# Altium PCB MB1297.PcbDoc (part 1 of 4) (continued)
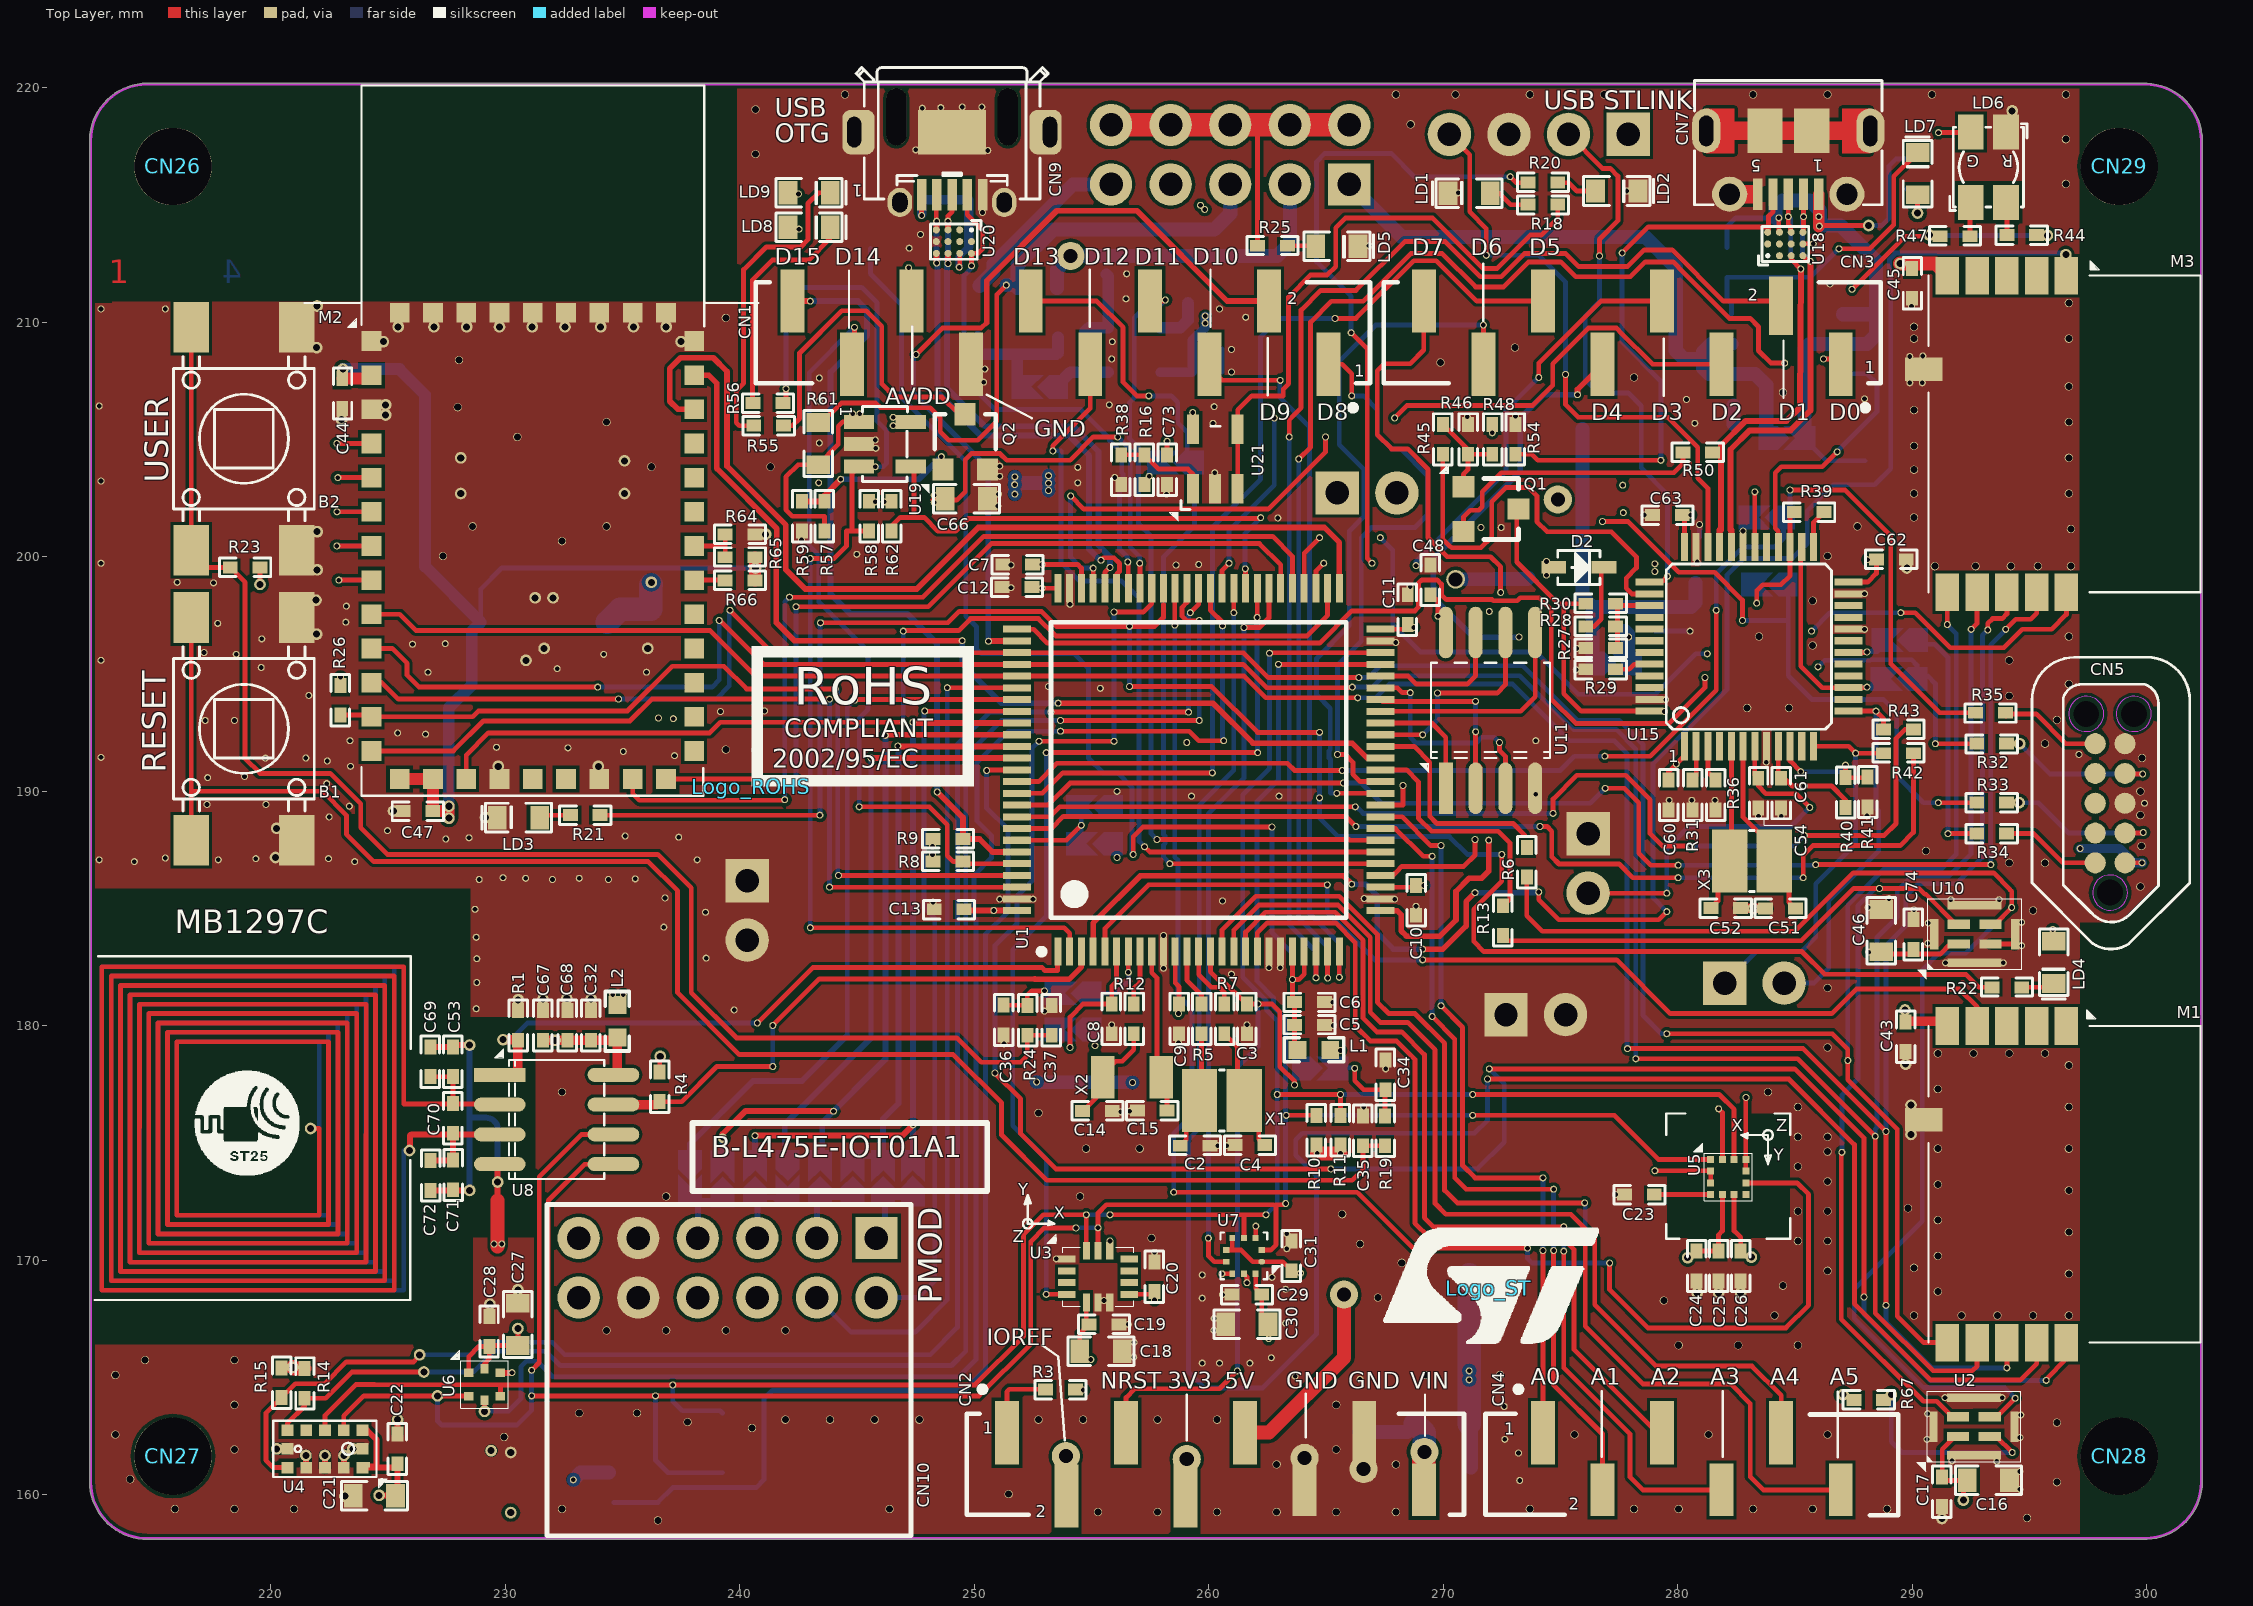
[diagram p0: Top Layer view]
## Design rules (kind name [scope] priority, off if disabled: settings)
AssemblyTestPointUsage [All] p1 off:
AssemblyTestpoint [All] p1 off: testpointundercomponent=TRUE minsize=1.016 maxsize=2.54 preferedsize=1.524 minholesize=0 maxholesize=1.016 preferedholesize=0.813 testpointgrid=0.025 usegrid=TRUE gridtolerance=0 allowsidetop=TRUE allowsidebottom=TRUE
Clearance Clearance_Poly [InPolygon] p1: gap=0.14
Clearance [All] p2: gap=0.102
ComponentClearance [All] p1 off: gap=0.254 collisioncheckmode=3 verticalgap=0.254 showdistances=FALSE
DiffPairsRouting [All] p1: maxlimit=0.508 minlimit=0.145 mostfreqgap=0.145 maxuncoupledlength=12.7
FabricationTestPointUsage [All] p1 off: valid=0 allowmultiple=FALSE
FabricationTestpoint [All] p1 off: side=3 testpointundercomponent=TRUE minsize=1.016 maxsize=2.54 preferedsize=1.524 minholesize=0 maxholesize=1.016 preferedholesize=0.813 testpointgrid=0.025 allowsidetop=TRUE allowsidebottom=TRUE usegrid=TRUE gridtolerance=0
FanoutControl Fanout_BGA [IsBGA] p1 off: bgadir=Out bgaviamode=Centered fanoutstyle=Auto fanoutdirection=Alternating viagrid=0.025 // Fanout_BGA (Default Rule)
FanoutControl Fanout_LCC [IsLCC] p2 off: bgadir=Out bgaviamode=Centered fanoutstyle=Auto fanoutdirection=Alternating viagrid=0.025 // Fanout_LCC (Default Rule)
FanoutControl Fanout_SOIC [IsSOIC] p3 off: bgadir=Out bgaviamode=Centered fanoutstyle=Auto fanoutdirection=Alternating viagrid=0.025 // Fanout_SOIC (Default Rule)
FanoutControl Fanout_Small [(CompPinCount < 5)] p4 off: bgadir=Out bgaviamode=Centered fanoutstyle=Auto fanoutdirection=OutThenIn viagrid=0.025 // Fanout_Small (Default Rule)
FanoutControl Fanout_Default [All] p5 off: bgadir=Out bgaviamode=Centered fanoutstyle=Auto fanoutdirection=Alternating viagrid=0.025 // Fanout_Default (Default Rule)
Height [All] p1 off: minheight=0 maxheight=25.4 prefheight=12.7
HoleSize [All] p1: absolutevalues=TRUE maxlimit=3.3 minlimit=0.2 maxpercent=80.000 minpercent=20.000
HoleToHoleClearance [All] p1 off: gap=0.254 allowstackedmicrovias=TRUE
LayerPairs [All] p1 off: enforce=TRUE
MinimumSolderMaskSliver [All] p1 off: minsoldermaskwidth=0.254
NetAntennae [All] p1 off: netantennaetolerance=0
PasteMaskExpansion [All] p1 off: expansion=0
PolygonConnect [All] p1: connectstyle=Direct reliefconductorwidth=0.254 reliefentries=4 polygonreliefangle="90 Angle" airgapwidth=0.254
RoutingCorners [All] p1 off: cornerstyle=45-Degree minsetback=2.54 maxsetback=2.54
RoutingLayers [All] p1 off: top layer_v5=TRUE mid layer 1_v5=TRUE mid layer 2_v5=TRUE bottom layer_v5=TRUE
RoutingPriority [All] p1 off: routingpriority=0
RoutingTopology [All] p1 off: topology=Shortest
RoutingVias [All] p1: holewidth=0.2 width=0.3 viastyle="Through Hole" minholewidth=0.2 minwidth=0.4 maxholewidth=3.3 maxwidth=3
SilkToSilkClearance [All] p1 off: silktosilkclearance=0.254
SilkToSolderMaskClearance SilkscreenOverComponentPads [IsPad] p1 off: minsilkscreentomaskgap=0.254 clearancetoexposedcopper=TRUE
SolderMaskExpansion [All] p1 off: expansion=0.102
Width [All] p1: maxlimit=6 minlimit=0.102 preferedwidth=0.2
4 further rules are at their usual default settings.

## Classes and differential pairs
component class "USB_OTG_FS  Page 4/11": C66 CN9 IC19 IC20 LD8 LD9 Q2 R55 R56 R57 R58 R59 R61 R62 U19 U20
component class "STLink V2.1 Page 11/11": C51 C52 C54 C55 C56 C57 C58 C59 C60 C61 C62 C63 C64 C65 CN5 CN6 CN7 CN8 D2 D3 D4 D5 IC15 IC16 IC17 IC18 JP8 LD6 LD7 Q1 R27 R28 R29 R30 R31 R32 R33 R34 R35 R36 R37 R39 R40 R41 R42 R43 R44 R45 R46 R47 R48 R49 R50 R51 R52 R53 R54 SB5 SB6 SB7 SB8 SB10 SB11 U15 U16 U17 U18 X3
component class "RF Modules Page 5/11": C43 C44 C45 C47 C48 C49 C50 C75 C76 IC11 M1 M2 M3 R26 R64 R65 R66 TP1 TP2 TP3 TP4 TP5 TP6 U11 U12
component class "Power part Page 8/11": C38 C39 C40 C41 C42 HW1 HW2 HW3 HW4 IC13 IC14 JP4 JP5 JP6 JP7 LD5 R25 SB4 U13 U14
component class "Peripherals Page 10/11": B1 B2 C34 C35 C36 C37 C73 CN10 IC21 LD1 LD2 LD3 LD4 R16 R17 R18 R19 R20 R21 R22 R23 R24 R38 SB1 SB2 SB3 SB12 SB14 SB15 SB16 SB18 SB19 SB20 SB21 U21
component class "NFC & ST-SAFE  Page 7/11": C32 C33 C53 C67 C68 C69 C70 C71 C72 IC8 IC9 L2 R1 R4 U8 U9
component class "MEMS Part Page 6/11": C16 C17 C18 C19 C20 C21 C22 C23 C24 C25 C26 C27 C28 C29 C30 C31 C46 C74 IC2 IC3 IC4 IC5 IC6 IC7 R6 R13 R14 R15 R67 U2 U3 U4 U5 U6 U7 U10
component class "MCU2 Page 3/11": C2 C3 C4 C5 C6 C7 C8 C9 C10 C11 C12 C13 L1 R5 R6 R7 SB9 SB13 SB17 X1
component class "MCU1 Page 2/11": C14 C15 IC1 R8 R9 R10 R11 R12 R13 U1 X2
component class "Arduino Connectors Page 9/11": C1 CN1 CN2 CN3 CN4 R2 R3
differential pair USB: +USB_P -USB_N
differential pair USB_STLK: +USB_STLK_P -USB_STLK_N

## Components (designator, comment, footprint, x,y, rotation, side; value= is the part's Value field where it differs from the comment)
B1 "SW-PUSH-CMS_BLACK" "SWI_WEALTHMETAL_TD-0341_4P - BACK" 218.846,192.659 r0 top
B2 "SW-PUSH-CMS_BLUE" "SWI_WEALTHMETAL_TD-0341_4P - BLUE" 218.846,205.029 r0 top
C1 "100nF" 0402_CAP_NPOL 246.202,213.157 r0 bottom
C2 "Not Fitted (8.2pF)" 0402_CAP_NPOL 259.41,174.879 r0 top
C3 "100nF" 0402_CAP_NPOL 261.62,180.289 r90 top
C4 "Not Fitted (8.2pF)" 0402_CAP_NPOL 261.747,174.904 r180 top
C5 "100nF" 0402_CAP_NPOL 264.287,180.035 r0 top
C6 "1uF" 0402_CAP_NPOL 264.287,181 r180 top
C7 "100nF" 0402_CAP_NPOL 251.841,199.669 r180 top
C8 "1uF" 0402_CAP_NPOL 255.854,180.289 r90 top
C9 "100nF" 0402_CAP_NPOL 258.724,180.289 r270 top
C10 "100nF" 0402_CAP_NPOL 268.834,185.344 r270 top
C11 "100nF" 0402_CAP_NPOL 268.478,197.739 r90 top
C12 "100nF" 0402_CAP_NPOL 251.816,198.704 r180 top
C13 "100nF" 0402_CAP_NPOL 248.92,184.963 r180 top
C14 "5.1pF" 0402_CAP_NPOL 255.245,176.352 r0 top
C15 "5.1pF" 0402_CAP_NPOL 257.581,176.378 r180 top
C16 "10uF" 0603_CAP_NPOL 293.243,160.604 r0 top
C17 "100nF" 0402_CAP_NPOL 291.262,160.122 r90 top
C18 "4.7uF" 0603_CAP_NPOL 255.397,166.116 r0 top
C19 "100nF" 0402_CAP_NPOL 255.524,167.259 r0 top
C20 "100nF" 0402_CAP_NPOL 257.683,169.291 r90 top
C21 "4.7uF" 0603_CAP_NPOL 224.409,159.944 r180 top
C22 "100nF" 0402_CAP_NPOL 225.4,161.95 r90 top
C23 "100nF" 0402_CAP_NPOL 278.359,172.796 r180 top
C24 "1uF" 0402_CAP_NPOL 280.797,169.748 r270 top
C25 "100nF" 0402_CAP_NPOL 281.737,169.748 r270 top
C26 "100nF" 0402_CAP_NPOL 282.677,169.748 r270 top
C27 "2.2uF" 0603_CAP_NPOL 230.53,167.259 r90 top
C28 "100nF" 0402_CAP_NPOL 229.311,166.954 r90 top
C29 "100nF" 0402_CAP_NPOL 261.62,168.529 r180 top
C30 "4.7uF" 0603_CAP_NPOL 261.62,167.259 r180 top
C31 "100nF" 0402_CAP_NPOL 263.525,170.18 r90 top
C32 "100nF" 0402_CAP_NPOL 233.655,180.01 r90 top
C33 "100nF" 0402_CAP_NPOL 231.851,160.807 r180 bottom
C34 "100nF" 0402_CAP_NPOL 267.538,177.902 r90 top
C35 "10pF" 0402_CAP_NPOL 266.573,175.514 r90 top
C36 "100nF" 0402_CAP_NPOL 251.231,180.238 r270 top
C37 "10pF" 0402_CAP_NPOL 253.298,180.227 r90 top
C38 "10uF" 0603_CAP_NPOL 266.421,163.576 r90 bottom
C39 "10uF" 0603_CAP_NPOL 272.085,161.163 r0 bottom
C40 "10uF" 0603_CAP_NPOL 271.475,199.644 r90 bottom
C41 "10uF" 0603_CAP_NPOL 280.746,199.771 r90 bottom
C42 "100nF" 0402_CAP_NPOL 278.384,196.825 r0 bottom
C43 "100nF" 0402_CAP_NPOL 289.712,179.527 r270 top
C44 "100nF" 0402_CAP_NPOL 223.037,206.959 r270 top
C45 "100nF" 0402_CAP_NPOL 289.992,211.658 r270 top
C46 "10uF" 0603_CAP_NPOL 288.671,184.048 r90 top
C47 "100nF" 0402_CAP_NPOL 226.263,189.154 r180 top
C48 "100nF" 0402_CAP_NPOL 269.443,199.009 r90 top
C49 "10uF" 0603_CAP_NPOL 236.195,196.85 r270 bottom
C50 "10uF" 0603_CAP_NPOL 229.362,195.275 r0 bottom
C51 "10pF" 0402_CAP_NPOL 284.378,184.988 r0 top
C52 "10pF" 0402_CAP_NPOL 282.042,185.014 r180 top
C53 "47pF" 0402_CAP_NPOL 227.762,178.46 r90 top
C54 "100nF" 0402_CAP_NPOL 283.426,189.916 r270 top
C55 "100nF" 0402_CAP_NPOL 259.918,207.874 r0 bottom
C56 "1uF" 0402_CAP_NPOL 256.261,212.039 r0 bottom
C57 "100nF" 0402_CAP_NPOL 256.239,211.026 r0 bottom
C58 "10nF" 0402_CAP_NPOL 259.74,210.82 r0 bottom
C59 "1uF" 0402_CAP_NPOL 259.918,208.864 r0 bottom
C60 "100nF" 0402_CAP_NPOL 279.603,189.84 r270 top
C61 "100nF" 0402_CAP_NPOL 284.391,189.916 r270 top
C62 "100nF" 0402_CAP_NPOL 289.103,199.873 r0 top
C63 "100nF" 0402_CAP_NPOL 279.552,201.778 r180 top
C64 "1uF" 0402_CAP_NPOL 287.426,211.861 r180 bottom
C65 "100nF" 0402_CAP_NPOL 280.365,207.721 r270 bottom
C66 "4.7uF" 0603_CAP_NPOL 249.657,202.463 r0 top
C67 "100pF" 0402_CAP_NPOL 231.597,180.01 r90 top
C68 "1uF" 0402_CAP_NPOL 232.639,180.01 r90 top
C69 "Not Fitted" 0402_CAP_NPOL 226.797,178.46 r90 top
C70 "Not Fitted" 0402_CAP_NPOL 227.762,176.047 r90 top
C71 "47pF" 0402_CAP_NPOL 227.762,173.634 r270 top
C72 "Not Fitted" 0402_CAP_NPOL 226.797,173.609 r270 top
C73 "100nF" 0402_CAP_NPOL 258.216,203.708 r270 top
C74 "100nF" 0402_CAP_NPOL 290.043,183.89 r90 top
C75 "2.2uF" 0603_CAP_NPOL 226.466,208.382 r0 bottom
C76 "2.2uF" 0603_CAP_NPOL 226.492,189.154 r180 bottom
CN1 "Header 10X1_Female_SMD" F-V50XC-1X10R-LF 253.671,209.552 r0 top locked
CN2 "Header 8X1_Female_SMD" F-V50XC-1X08R-LF#1 260.275,161.292 r180 top locked
CN3 "Header 8X1_Female_SMD" F-V50XC-1X08R-LF#2 278.055,209.552 r0 top locked
CN4 "Header 6X1_Female_SMD" F-V50XC-1X06R-LF 280.595,161.292 r180 top locked
CN5 "TC2050-IDC-NL" CON_TAG-C_TC2050-IDC-NL 298.433,189.484 r90 top
CN6 "header 2 pins 2.54mm" CON_SAMTEC_TSW-102-07-G-S 283.261,181.813 r0 bottom
CN7 "1050170001" CON_USBMICROB_MOLEX_105017-0001_H2P90 284.709,219.608 r180 top
CN8 "Header 4 pins" CON_SAMTEC_TSW-104-07-G-S 274.066,218.008 r180 bottom
CN9 "475900001" CON_USBMICROAB_MOLEX_47590-0001_H3 249.047,219.558 r180 top
CN10 "HEADER_2X6_PMOD" "Header F 2x6x2.54 TH H PMOD" 245.821,170.942 r180 top
CN26 "Comment" "Spacer+Nut M3" 215.819,216.64 r90 top
CN27 "Comment" "Spacer+Nut M3" 215.819,161.64 r90 top
CN28 "Comment" "Spacer+Nut M3" 298.819,161.64 r90 top
CN29 "Comment" "Spacer+Nut M3" 298.819,216.64 r90 top
D2 "BAT60JFILM" DIO_SOD323 275.775,199.542 r0 top
D3 "BAT60JFILM" DIO_SOD323 253.517,210.388 r270 bottom
D4 "BAT60JFILM" DIO_SOD323 250.121,210.387 r270 bottom
D5 "BAT60JFILM" DIO_SOD323 251.835,210.387 r270 bottom
JP4 "HEADER_2X5" "Header M 2x5x2.54 TH V" 265.989,215.875 r180 bottom
JP5 "Jumper_2.54mm" CON_SAMTEC_TSW-102-07-G-S 266.747,202.717 r0 bottom
JP6 "Jumper_2.54mm" CON_SAMTEC_TSW-102-07-G-S 273.939,180.467 r0 bottom
JP7 "Jumper_2.54mm" CON_SAMTEC_TSW-102-07-G-S 240.309,184.916 r270 bottom
JP8 "Jumper_2.54mm" CON_SAMTEC_TSW-102-07-G-S 276.174,186.919 r270 bottom
L1 "FCM1608KF-601T03" 0603L 264.477,178.968 r0 top
L2 "742792042" 0603L 234.772,180.188 r270 top
LD1 "LED" 0603_LED_GREEN 271.094,215.494 r0 top
LD2 "LED" 0603_LED_GREEN 277.393,215.595 r180 top
LD3 "LED" 0603_LED_Yellow 230.556,188.874 r0 top
LD4 "LED" 0603_LED_Blue 296.037,182.702 r90 top
LD5 "LED" 0603_LED_GREEN 265.455,213.233 r180 top
LD6 "LD_BICOLOR_CMS" LED_BI-GR_HSMF-A201-A00J1 293.243,216.611 r180 top
LD7 "LED" 0603_LED_RED 290.22,216.332 r270 top
LD8 "LED" 0603_LED_RED 242.951,214.046 r180 top
LD9 "LED" 0603_LED_GREEN 242.951,215.519 r180 top
Logo_ESD "Comment" SYMBOL_ESD 247.04,181.94 r180 bottom
Logo_ROHS "Comment" SYMBOL_RoHS 240.487,190.195 r0 top
Logo_ST "Comment" LOGO_ST_Size3 271.932,168.808 r0 top
M1 "BT Module" SPBTLE-RF 296.57,179.984 r270 top
M2 "ISM43362-M3G-L44" ISM43362-M3G-L44 231.165,200.457 r90 top locked
M3 "SPSGRF" SPSGRF 296.57,211.988 r270 top
Q1 "BSR14" SOT23-3 273.202,202.032 r270 top
Q2 "BSR14" SOT23-3 249.606,206.07 r0 top
R1 "30K" 0402_RES 230.53,180.01 r270 top
R2 "0R" 0402_RES 246.202,212.293 r180 bottom
R3 "1K" 0402_RES 253.67,164.49 r180 top
R4 "20K" 0402_RES 236.576,177.394 r270 top
R5 "Not Fitted (0R)" 0402_RES 259.69,180.289 r270 top
R6 "0R" 0402_RES 273.558,186.969 r90 top
R7 "Not Fitted (0R)" 0402_RES 260.655,180.289 r270 top
R8 "2K2" 0402_RES 248.869,186.995 r0 top
R9 "2K2" 0402_RES 248.869,187.96 r0 top
R10 "2K2" 0402_RES 264.592,175.539 r90 top
R11 "2K2" 0402_RES 265.608,175.539 r90 top
R12 "0R" 0402_RES 256.794,180.289 r270 top
R13 "0R" 0402_RES 272.542,184.48 r90 top
R14 "10K" 0402_RES 221.437,164.744 r270 top
R15 "10K" 0402_RES 220.447,164.77 r270 top
R16 "10K" 0402_RES 257.251,203.708 r90 top
R18 "1K" 0402_RES 274.244,215.011 r180 top
R19 "1K" 0402_RES 267.513,175.514 r270 top
R20 "330R" 0402_RES 274.244,215.951 r0 top
R21 "1K" 0402_RES 233.401,188.976 r180 top
R22 "680R" 0402_RES 294.03,181.635 r0 top
R23 "100K" 0402_RES 218.897,199.542 r0 top
R24 "1K" 0402_RES 252.256,180.227 r270 top
R25 "330R" 0402_RES 262.712,213.258 r0 top
R26 "47K" 0402_RES 222.961,193.878 r90 top
R27 "4K7" 0402_RES 276.708,196.113 r180 top
R28 "2K7" 0402_RES 276.708,197.028 r0 top
R29 "100K" 0402_RES 276.708,195.199 r180 top
R30 "Not Fitted (0R)" 0402_RES 276.708,197.993 r0 top
R31 "10K" 0402_RES 280.619,189.84 r270 top
R32 "22R" 0402_RES 293.383,192.024 r180 top
R33 "22R" 0402_RES 293.383,189.509 r180 top
R34 "22R" 0402_RES 293.383,188.189 r180 top
R35 "22R" 0402_RES 293.332,193.345 r180 top
R36 "Not Fitted (10K)" 0402_RES 281.61,189.84 r270 top
R38 "200K" 0402_RES 256.261,203.708 r90 top
R39 "100R" 0402_RES 285.598,201.905 r180 top
R40 "4K7" 0402_RES 287.147,189.941 r270 top
R41 "4K7" 0402_RES 288.087,189.967 r270 top
R42 "0R" 0402_RES 289.408,191.618 r0 top
R43 "0R" 0402_RES 289.408,192.634 r0 top
R44 "330R" 0402_RES 294.665,213.716 r180 top
R45 "100R" 0402_RES 269.977,205.003 r90 top
R46 "36K" 0402_RES 271.043,205.003 r270 top
R47 "330R" 0402_RES 291.821,213.665 r0 top
R48 "10K" 0402_RES 272.085,205.003 r270 top
R49 "100K" 0402_RES 282.092,212.547 r90 bottom
R50 "1K5" 0402_RES 280.848,204.445 r0 top
R51 "10K" 0402_RES 287.985,204.724 r270 bottom
R52 "1K" 0402_RES 289.738,216.319 r90 bottom
R53 "2K2" 0402_RES 281.61,205.257 r0 bottom
R54 "100K" 0402_RES 273.075,205.003 r90 top
R55 "330R" 0402_RES 241.224,205.588 r180 top
R56 "1K" 0402_RES 241.198,206.553 r180 top
R57 "47K" 0402_RES 243.606,201.727 r90 top
R58 "47K" 0402_RES 245.501,201.727 r270 top
R59 "100K" 0402_RES 242.646,201.727 r90 top
R61 "0R" 0603_RES 243.332,204.826 r270 top
R62 "47K" 0402_RES 246.461,201.727 r270 top
R64 "Not Fitted (10K)" 0402_RES 240.005,200.939 r0 top
R65 "Not Fitted (10K)" 0402_RES 240.005,199.974 r0 top
R66 "Not Fitted (10K)" 0402_RES 240.005,198.984 r0 top
R67 "10K" 0402_RES 288.138,164.033 r0 top
SB1 "Close" SB 258.572,204.013 r180 bottom
SB2 "Close" SB 264.744,178.181 r0 bottom
SB3 "Close" SB 254.203,181.381 r180 bottom
SB4 "Close" SB 277.266,195.453 r0 bottom
SB5 "Close" SB 283.896,198.806 r180 bottom
SB6 "Close" SB 289.433,194.793 r180 bottom
SB7 "Close" SB 283.794,201.676 r180 bottom
SB8 "Close" SB 289.458,196.444 r180 bottom
SB9 "Open" SB 255.118,187.757 r180 bottom
SB10 "Close" SB 252.781,207.239 r180 bottom
SB11 "Open" SB 284.658,205.054 r0 bottom
SB12 "Open" SB 244.802,173.482 r90 bottom
SB13 "Close" SB 255.118,189.332 r180 bottom
SB14 "Close" SB 246.101,173.488 r90 bottom
SB15 "Close" SB 243.415,173.482 r90 bottom
SB16 "Open" SB 239.257,173.457 r90 bottom
SB17 "Close" SB 254.203,179.832 r180 bottom
SB18 "Close" SB 240.643,173.482 r90 bottom
SB19 "Open" SB 247.371,173.492 r90 bottom
SB20 "Open" SB 242.029,173.482 r270 bottom
SB21 "Close" SB 237.871,173.482 r270 bottom
TP1 "PT" PTB 224.291,204.828 r180 bottom
TP2 "PT" PTB 224.291,203.371 r180 bottom
TP3 "PT" PTB 224.291,201.914 r180 bottom
TP4 "PT" PTB 224.291,200.457 r180 bottom
TP5 "PT" PTB 224.291,199 r180 bottom
TP6 "PT" PTB 224.291,197.543 r180 bottom
TP9 "Comment" "LOGO CE" 258.732,172.729 r180 bottom
U1 "STM32L475VGTx" "LQFP100 14x14x1.6" 259.563,190.906 r90 top
U2 "MP34DT01-M" "HCLGA-4LD 3x4x1" 292.625,162.902 r90 top
U3 "LSM6DSL" LGA14L-2.5X3X0.86p0.5 255.27,169.291 r0 top
U4 "VL53L0X" LGA12-optical 222.301,161.95 r0 top
U5 "LIS3MDL" VFLGA12-2x2x1 282.147,173.545 r0 top
U6 "HTS221" HLGA6L-2x2x0.9 229.108,164.694 r0 top
U7 "LPS22HB" HLGA10L-2X2X0.76 261.493,170.18 r180 top
U8 "M24SR64-Y" SOP8 232.181,175.997 r0 top
U9 "STSAFE-A100" SOP8 236.83,161.569 r0 bottom
U10 "MP34DT01-M" "HCLGA-4LD 3x4x1" 292.659,183.906 r90 top
U11 "MX25R6435F" SOP8L 272.009,193.446 r90 top
U12 "LT1963EST-3.3" SOT223_SC73 231.648,200.304 r180 bottom
U13 "LD1117S50TR" REG_SOT223-TAB 271.098,166.192 r180 bottom
U14 "LD1117S33TR" REG_SOT223-TAB 275.924,202.26 r180 bottom
U15 "STM32F103CBT6" ICC_LQFP48_7X7_P050 283.032,196.164 r0 top
U16 "LD3985M33R" REG_SOT23-5L 256.812,208.817 r90 bottom
U17 "ST890CDR" ICC_SO8_5X4_P127 284.658,208.432 r270 bottom
U18 "EMIF02-USB03F2" ESD_FLIP-CHIP-BGA11_1P44X1P94_P050 284.582,213.335 r90 top
U19 "STMPS2141STR" MOS_SOT23-5L 246.177,204.8 r270 top
U20 "EMIF02-USB03F2" ESD_FLIP-CHIP-BGA11_1P44X1P94_P050 249.123,213.436 r270 top
U21 "TSV631AILT" SOT23-5 260.274,204.165 r90 top
X1 "Not Fitted (NX3225GD-8.00M)" CRY_NX3225GD_2P 260.553,176.809 r180 top
X2 "NX3215SA-32.768K" CRY_NX3215SA_2P 256.718,177.8 r0 top
X3 "NX3225GD-8.00M" CRY_NX3225GD_2P 283.159,187.02 r180 top

## Footprints (in the part's own frame and the unit in brackets; to place one, negate y for a bottom-side part, rotate by r counter-clockwise, add the part's x,y. Pads: shape width x height; smd on the part's side, far side on the other; paste and mask are expansions set on the pad)
0402_CAP_NPOL [mil] "Capacitor FootPrint 0402"
  rect 25x20 smd: 1(-25,0) 2(25,0)
  silkscreen extent -43,-15 43,16, body extent -39,-14 41,14, height 32
0402_RES [mil] "Resistor FootPrint 0402"
  rect 25x20 smd: 1(-25,0) 2(25,0)
  silkscreen extent -43,-15 43,16, body extent -38,-11 39,13, height 16
0603_CAP_NPOL [mm] "Capacitor FootPrint 0603"
  rect 0.8x1 smd: 1(-0.902,0) 2(0.902,0)
  silkscreen extent -1.41,-0.61 1.41,0.61, body extent -1.28,-0.46 1.26,0.48, height 0.82
0603_LED_Blue [mm] "Resistor Footprint 0603"
  rect 0.8x1 smd: A(0.902,0) K(-0.902,0)
  silkscreen extent -1.59,-0.61 1.41,0.61, body extent -1.26,-0.48 1.26,0.48, height 0.84
0603_LED_GREEN [mm] "Resistor Footprint 0603"
  rect 0.8x1 smd: A(0.902,0) K(-0.902,0)
  silkscreen extent -1.59,-0.61 1.41,0.61, body extent -1.26,-0.48 1.26,0.48, height 0.84
0603_LED_RED [mm] "Resistor Footprint 0603"
  rect 0.8x1 smd: A(0.902,0) K(-0.902,0)
  silkscreen extent -1.59,-0.61 1.41,0.61, body extent -1.26,-0.48 1.26,0.48, height 0.84
0603_LED_Yellow [mm] "Resistor Footprint 0603"
  rect 0.8x1 smd: A(0.902,0) K(-0.902,0)
  silkscreen extent -1.59,-0.61 1.41,0.61, body extent -1.26,-0.48 1.26,0.48, height 0.84
0603_RES [mm] "Resistor Footprint 0603"
  rect 0.8x1 smd: 1(-0.902,0) 2(0.902,0)
  silkscreen extent -1.41,-0.61 1.41,0.61, body extent -1.26,-0.48 1.26,0.48, height 0.4
0603L [mil]
  rect 30x30 smd: 1(27.5,0) 2(-27.5,0)
  silkscreen extent -50,-20 50,20
CON_SAMTEC_TSW-102-07-G-S [mm]
  rect 1.85x1.85 hole 1 mask+0.05: 1(-1.27,0)
  round 1.85 hole 1 mask+0.05: 2(1.27,0)
  silkscreen extent -2.58,-1.3 2.58,1.3, body extent -2.67,-1.3 2.58,1.3, height 8.38
CON_SAMTEC_TSW-104-07-G-S [mm]
  rect 1.85x1.85 hole 1 mask+0.05: 1(-3.81,0)
  round 1.85 hole 1 mask+0.05: 2(-1.27,0) 3(1.27,0) 4(3.81,0)
  silkscreen extent -5.12,-1.3 5.12,1.3, body extent -5.21,-1.37 5.18,1.37, height 8.38
CON_TAG-C_TC2050-IDC-NL [mm]
  round 0.9 smd paste-9 mask+0.05: 1(-2.54,-0.635)
  round 0.9 smd paste-0.9 mask+0.05: 2(-1.27,-0.635) 3(0,-0.635) 4(1.27,-0.635) 5(2.54,-0.635) 6(2.54,0.635) 7(1.27,0.635) 8(0,0.635) 9(-1.27,0.635) 10(-2.54,0.635)
  round 0 hole 1.1 unplated mask+0.05: 11(-3.81,0) 12(3.81,-1.015) 13(3.81,1.015)
  Multi-Layer keep-out circle w0.01: c-3.81,0 r0.75
  Multi-Layer keep-out circle w0.01: c3.81,1.015 r0.75
  Multi-Layer keep-out circle w0.01: c3.81,-1.015 r0.75
  silkscreen extent -6.22,-3.4 6.22,3.33
CON_USBMICROAB_MOLEX_47590-0001_H3 [mm]
  rect 0.4x1.35 smd mask+0.05: 1(1.3,4.125) 2(0.65,4.125) 3(0,4.125) 4(-0.65,4.125) 5(-1.3,4.125)
  oval 1.05x1.25 hole 0.65 slot 0.85 at 90 deg mask+0.05: 6(-2.225,4.45) 7(2.225,4.45)
  rrect50% 1.375x1.9 hole 0.6 slot 1.3 at 90 deg copper offset 0.188,0 mask+0.05: 8(-4.175,1.45)
  rrect50% 1.375x1.9 hole 0.6 slot 1.3 at 90 deg copper offset -0.188,0 mask+0.05: 9(4.175,1.45)
  rect 2.9x1.9 smd mask+0.05: 10(0,1.45)
  oval 0.85x2.425 hole 0.85 slot 2.425 at 90 deg unplated mask+0.1: 11(-2.375,0.8) 12(2.375,0.8)
  silkscreen extent -4.1,-1.3 4.1,4.3, body extent -4.32,-1.36 4.33,4.6, height 3
CON_USBMICROB_MOLEX_105017-0001_H2P90 [mm]
  rect 0.4x1.35 smd mask+0.05: 1(-1.3,4.15) 2(-0.65,4.15) 3(0,4.15) 4(0.65,4.15) 5(1.3,4.15)
  round 1.5 hole 0.9 mask+0.05: 6(-2.5,4.15) 7(2.5,4.15)
  oval 1.2x1.9 hole 0.6 slot 1.3 at 90 deg mask+0.05: 8(3.5,1.45) 9(-3.5,1.45)
  rect 1.5x1.9 smd mask+0.05: 10(-1,1.45) 11(1,1.45)
  Top Layer region: -3.5,2.4 -2.3,2.4 -2.3,0.5 -3.5,0.5 -3.5,2.4
  Top Layer region: 2.3,2.4 3.5,2.4 3.5,0.5 2.3,0.5 2.3,2.4
  silkscreen extent -4,-0.7 4,4.6, body extent -4.1,-1.15 4.1,4.66, height 2.9
CRY_NX3215SA_2P [mm]
  rect 1x1.8 smd mask+0.05: 1(-1.25,0) 2(1.25,0)
  body extent -1.65,-0.8 1.65,0.8, height 0.9
CRY_NX3225GD_2P [mm]
  rect 1.5x2.7 smd mask+0.05: 1(-0.95,0) 2(0.95,0)
  silkscreen extent -0.1,-1.3 0.1,1.3, body extent -1.65,-1.3 1.65,1.3, height 1
DIO_SOD323 [mm]
  rect 1.06x0.54 smd mask+0.05: 1(-1.07,0) 2(1.07,0)
  silkscreen extent -0.9,-0.72 0.9,0.72, body extent -1.3,-0.78 1.3,0.78, height 1.17
ESD_FLIP-CHIP-BGA11_1P44X1P94_P050 [mm]
  round 0.3 smd paste+0 mask+0.05: A2(0,0.75) A3(0.5,0.75) B1(-0.5,0.25) B2(0,0.25) B3(0.5,0.25) C1(-0.5,-0.25) C2(0,-0.25) C3(0.5,-0.25) D1(-0.5,-0.75) D2(0,-0.75) D3(0.5,-0.75)
  silkscreen extent -0.9,-1 0.75,1.15, body extent -0.7,-0.95 0.7,0.95, height 0.7
F-V50XC-1X06R-LF [mm] "Connector 6pts, 2.54mm  female smd"
  rect 1.02x2.7 smd: 1(6.35,-1.35) 3(1.27,-1.35) 5(-3.81,-1.35)
  rect 1.02x2.25 smd: 2(3.81,1.09) 4(-1.27,1.09) 6(-6.35,1.09)
  silkscreen extent -8.8,-3.32 8.8,2.17, body extent -8,-1.27 8,1.24, height 9.02
F-V50XC-1X08R-LF#1 [mm] "Connector 8pts, 2.54mm  female smd"
  rect 1.02x2.7 smd: 1(8.89,-1.35) 2(6.35,1.35) 3(3.81,-1.35) 4(1.27,1.35) 5(-1.27,-1.35) 7(-6.35,-1.35)
  rect 1.02x2.25 smd: 6(-3.81,1.09) 8(-8.89,1.09)
  silkscreen extent -10.6,-3.32 10.6,2.15, body extent -10.54,-1.24 10.49,1.27, height 9.02
F-V50XC-1X08R-LF#2 [mm] "Connector 8pts, 2.54mm  female smd"
  rect 1.02x2.7 smd: 1(8.89,-1.35) 3(3.81,-1.35) 4(1.27,1.35) 5(-1.27,-1.35) 6(-3.81,1.35) 7(-6.35,-1.35) 8(-8.89,1.35)
  rect 1.02x2.5 smd: 2(6.35,1.15)
  silkscreen extent -10.6,-3.32 10.6,2.15, body extent -10.54,-1.24 10.49,1.27, height 9.02
F-V50XC-1X10R-LF [mm] "Connector 10pts, 2.54mm  female smd"
  rect 1.02x2.7 smd: 1(11.43,-1.35) 2(8.89,1.35) 3(6.35,-1.35) 4(3.81,1.35) 5(1.27,-1.35) 6(-1.27,1.35) 7(-3.81,-1.35) 8(-6.35,1.35) 9(-8.89,-1.35) 10(-11.43,1.35)
  silkscreen extent -13,-3.32 13.2,2.15, body extent -13.08,-1.27 13.13,1.24, height 9.02
"HCLGA-4LD 3x4x1" [mm] "HCLGA-4LD 3x4x1mm (MP34DT01_Microphone MEMS)"
  rect 0.4x0.95 smd mask+0.02: 1(-0.425,0.675) 2(-0.425,-0.675) 3(0.425,-0.675) 4(0.425,0.675)
  rect 0.35x2.3 smd mask+0.02: 5(-1.225,0) 5(1.225,0)
  rect 1.3x0.35 smd mask+0.02: 5(0,1.725) 5(0,-1.725)
  silkscreen extent -1.91,-2 1.5,2.44, body extent -1.5,-2.01 1.5,2.01, height 1.01
"Header F 2x6x2.54 TH H PMOD" [mm] "2x6x2.54 Header TH H Female PMOD Warning Specific Pinout"
  rect 1.8x1.8 hole 1: 1(0,0)
  round 1.8 hole 1: 2(2.54,0) 3(5.08,0) 4(7.62,0) 5(10.16,0) 6(12.7,0) 7(0,2.54) 8(2.54,2.54) 9(5.08,2.54) 10(7.62,2.54) 11(10.16,2.54) 12(12.7,2.54)
  silkscreen extent -1.47,-1.43 14.05,12.7, body extent -1.42,-0.32 14.07,12.71, height 5.04
"Header M 2x5x2.54 TH V" [mm] "2x5x2.54 Header TH V Male"
  rect 1.8x1.8 hole 1: 1(0,0)
  round 1.8 hole 1: 2(0,2.54) 3(2.54,0) 4(2.54,2.54) 5(5.08,0) 6(5.08,2.54) 7(7.62,0) 8(7.62,2.54) 9(10.16,0) 10(10.16,2.54)
  silkscreen extent -1.47,-1.43 11.56,3.97, body extent -1.3,-1.24 11.4,3.84, height 8.5
HLGA6L-2x2x0.9 [mm] "HLGA6L 2x2x0.9mm pitch1mm"
  rect 0.4x0.35 smd mask+0.05: 1(-0.675,0.5) 2(-0.675,-0.5) 4(0.675,-0.5) 5(0.675,0.5)
  rect 0.35x0.4 smd mask+0.05: 3(0,-0.675) 6(0,0.675)
  silkscreen extent -1.45,-1.02 1.02,1.46, body extent -1.02,-1.02 1.02,1.02, height 1
HLGA10L-2X2X0.76 [mm] "HLGA-10L 2x2x0.76mm pitch 0.5mm"
  oct 0.275x0.25 smd paste+0 mask+0.05: 1(-0.763,0.25)
  rect 0.275x0.25 smd paste+0 mask+0.05: 2(-0.763,-0.25) 6(0.763,-0.25) 7(0.763,0.25)
  rect 0.25x0.275 smd paste+0 mask+0.05: 3(-0.5,-0.763) 4(0,-0.763) 5(0.5,-0.763) 8(0.5,0.763) 9(0,0.763) 10(-0.5,0.763)
  silkscreen extent -1.5,-1 1,1, body extent -1.02,-1.02 1.02,1.02, height 0.77
ICC_LQFP48_7X7_P050 [mm]
  rect 0.3x1.2 smd mask+0.05: 1(-2.75,-4.25) 2(-2.25,-4.25) 3(-1.75,-4.25) 4(-1.25,-4.25) 5(-0.75,-4.25) 6(-0.25,-4.25) 7(0.25,-4.25) 8(0.75,-4.25) 9(1.25,-4.25) 10(1.75,-4.25) 11(2.25,-4.25) 12(2.75,-4.25) 25(2.75,4.25) 26(2.25,4.25) 27(1.75,4.25) 28(1.25,4.25) 29(0.75,4.25) 30(0.25,4.25) 31(-0.25,4.25) 32(-0.75,4.25) 33(-1.25,4.25) 34(-1.75,4.25) 35(-2.25,4.25) 36(-2.75,4.25)
  rect 1.2x0.3 smd mask+0.05: 13(4.25,-2.75) 14(4.25,-2.25) 15(4.25,-1.75) 16(4.25,-1.25) 17(4.25,-0.75) 18(4.25,-0.25) 19(4.25,0.25) 20(4.25,0.75) 21(4.25,1.25) 22(4.25,1.75) 23(4.25,2.25) 24(4.25,2.75) 37(-4.25,2.75) 38(-4.25,2.25) 39(-4.25,1.75) 40(-4.25,1.25) 41(-4.25,0.75) 42(-4.25,0.25) 43(-4.25,-0.25) 44(-4.25,-0.75) 45(-4.25,-1.25) 46(-4.25,-1.75) 47(-4.25,-2.25) 48(-4.25,-2.75)
  silkscreen extent -3.52,-3.52 3.52,3.52, body extent -4.5,-4.5 4.5,4.5, height 1.6
ICC_SO8_5X4_P127 [mm]
  rect 0.7x1.75 smd mask+0.05: 1(-1.905,-2.375) 2(-0.635,-2.375) 3(0.635,-2.375) 4(1.905,-2.375) 5(1.905,2.375) 6(0.635,2.375) 7(-0.635,2.375) 8(-1.905,2.375)
  silkscreen extent -2.58,-2 2.58,2, body extent -2.57,-3 2.57,3, height 1.75
ISM43362-M3G-L44 [mm] "ISM43362-M3G-L44 Module Wifi 802.11 bgn"
  rect 0.84x0.84 smd: 1(8.742,6.88) 2(7.285,6.88) 3(5.828,6.88) 4(4.371,6.88) 5(2.914,6.88) 6(1.457,6.88) 7(0,6.88) 8(-1.457,6.88) 9(-2.914,6.88) 10(-4.371,6.88) 11(-5.828,6.88) 12(-7.285,6.88) 13(-8.742,6.88) 14(-9.942,5.68) 15(-9.942,4.26) 16(-9.942,2.84) 17(-9.942,1.42) 18(-9.942,0) 19(-9.942,-1.42) 20(-9.942,-2.84) 21(-9.942,-4.26) 22(-9.942,-5.68) 23(-8.742,-6.88) 24(-7.285,-6.88) 25(-5.828,-6.88) 26(-4.371,-6.88) 27(-2.914,-6.88) 28(-1.457,-6.88) 29(0,-6.88) 30(1.457,-6.88) 31(2.914,-6.88) 32(4.371,-6.88) 33(5.828,-6.88) 34(7.285,-6.88) 35(8.742,-6.88) 36(9.942,-5.68) 37(9.942,-4.26) 38(9.942,-2.84) 39(9.942,-1.42) 40(9.942,0) 41(9.942,1.42) 42(9.942,2.84) 43(9.942,4.26) 44(9.942,5.68)
  silkscreen extent -10.65,-9.63 19.64,9.73, body extent -10.64,-7.32 19.66,7.32, height 2.7
LED_BI-GR_HSMF-A201-A00J1 [mm]
  rect 1.1x1.5 smd mask+0.05: 1(-0.75,-1.5) 2(-0.75,1.5) 3(0.75,1.5) 4(0.75,-1.5)
  silkscreen extent -1.65,-1.85 1.65,1.85, body extent -1.5,-1.85 1.5,1.85, height 2.1
LGA12-optical [mm] "VL53L0X : World smallest Time-of-Flight ranging and gesture detection sensor"
  rect 0.5x0.5 smd: 1(1.6,-0.8) 2(0.8,-0.8) 3(0,-0.8) 4(-0.8,-0.8) 5(-1.6,-0.8) 6(-1.6,0) 7(-1.6,0.8) 8(-0.8,0.8) 9(0,0.8) 10(0.8,0.8) 11(1.6,0.8) 12(1.6,0)
  rect 0.08x0.25 smd: 1(1.89,-0.675)
  silkscreen extent -2.2,-1.65 2.67,1.2, body extent -2.18,-1.22 2.21,1.19, height 1.01
LGA14L-2.5X3X0.86p0.5 [mm] "LGA14 2.5x3x0.86mm pitch0.5mm"
  rect 0.75x0.3 smd mask+0.05: 1(-1.33,0.75) 2(-1.33,0.25) 3(-1.33,-0.25) 4(-1.33,-0.75) 8(1.33,-0.75) 9(1.33,-0.25) 10(1.33,0.25) 11(1.33,0.75)
  rect 0.3x0.75 smd mask+0.05: 5(-0.5,-1.1) 6(0,-1.1) 7(0.5,-1.1) 12(0.5,1.1) 13(0,1.1) 14(-0.5,1.1)
  silkscreen extent -2.16,-1.25 1.52,1.8, body extent -1.52,-1.27 1.52,1.27, height 0.9
"LOGO CE" [mm]
  silkscreen extent -3.27,-3.31 4.33,3.3
LOGO_ST_Size3 [mm]
  silkscreen extent -4.5,-2.36 4.7,2.57
"LQFP100 14x14x1.6" [mm] "LQFP100 14x14mm low profile 1.6mm"
  rect 1.2x0.3 smd: 1(-7.75,6) 2(-7.75,5.5) 3(-7.75,5) 4(-7.75,4.5) 5(-7.75,4) 6(-7.75,3.5) 7(-7.75,3) 8(-7.75,2.5) 9(-7.75,2) 10(-7.75,1.5) 11(-7.75,1) 12(-7.75,0.5) 13(-7.75,0) 14(-7.75,-0.5) 15(-7.75,-1) 16(-7.75,-1.5) 17(-7.75,-2) 18(-7.75,-2.5) 19(-7.75,-3) 20(-7.75,-3.5) 21(-7.75,-4) 22(-7.75,-4.5) 23(-7.75,-5) 24(-7.75,-5.5) 25(-7.75,-6) 51(7.75,-6) 52(7.75,-5.5) 53(7.75,-5) 54(7.75,-4.5) 55(7.75,-4) 56(7.75,-3.5) 57(7.75,-3) 58(7.75,-2.5) 59(7.75,-2) 60(7.75,-1.5) 61(7.75,-1) 62(7.75,-0.5) 63(7.75,0) 64(7.75,0.5) 65(7.75,1) 66(7.75,1.5) 67(7.75,2) 68(7.75,2.5) 69(7.75,3) 70(7.75,3.5) 71(7.75,4) 72(7.75,4.5) 73(7.75,5) 74(7.75,5.5) 75(7.75,6)
  rect 0.3x1.2 smd: 26(-6,-7.75) 27(-5.5,-7.75) 28(-5,-7.75) 29(-4.5,-7.75) 30(-4,-7.75) 31(-3.5,-7.75) 32(-3,-7.75) 33(-2.5,-7.75) 34(-2,-7.75) 35(-1.5,-7.75) 36(-1,-7.75) 37(-0.5,-7.75) 38(0,-7.75) 39(0.5,-7.75) 40(1,-7.75) 41(1.5,-7.75) 42(2,-7.75) 43(2.5,-7.75) 44(3,-7.75) 45(3.5,-7.75) 46(4,-7.75) 47(4.5,-7.75) 48(5,-7.75) 49(5.5,-7.75) 50(6,-7.75) 76(6,7.75) 77(5.5,7.75) 78(5,7.75) 79(4.5,7.75) 80(4,7.75) 81(3.5,7.75) 82(3,7.75) 83(2.5,7.75) 84(2,7.75) 85(1.5,7.75) 86(1,7.75) 87(0.5,7.75) 88(0,7.75) 89(-0.5,7.75) 90(-1,7.75) 91(-1.5,7.75) 92(-2,7.75) 93(-2.5,7.75) 94(-3,7.75) 95(-3.5,7.75) 96(-4,7.75) 97(-4.5,7.75) 98(-5,7.75) 99(-5.5,7.75) 100(-6,7.75)
  silkscreen extent -7.87,-6.3 6.3,6.82, body extent -7,-7 7,7, height 1.65
MOS_SOT23-5L [mm]
  rect 0.6x1.3 smd mask+0.05: 1(-0.95,-1.1) 2(0,-1.1) 3(0.95,-1.1) 4(0.95,1.1) 5(-0.95,1.1)
  silkscreen extent -1.6,-0.95 1.6,0.97, body extent -1.52,-1.25 1.52,1.25, height 1.45
PTB [mm]
  rect 2x1 smd: 1(0,0)
  silkscreen extent -1.1,-0.6 1.1,0.6
REG_SOT23-5L [mm]
  rect 0.6x1.3 smd mask+0.05: 1(-0.95,-1.1) 2(0,-1.1) 3(0.95,-1.1) 4(0.95,1.1) 5(-0.95,1.1)
  silkscreen extent -1.6,-0.95 1.6,0.97, body extent -1.52,-1.25 1.52,1.25, height 1.1
REG_SOT223-TAB [mm]
  rect 1.5x1.65 smd mask+0.05: 1(-2.3,-3.175) 2(0,-3.175) 3(2.3,-3.175)
  rect 3.5x1.65 smd mask+0.05: 4(0,3.175)
  silkscreen extent -3.35,-2.15 3.35,2.12, body extent -3.35,-3.48 3.35,3.48, height 1.8
SB [mil]
  round 10 smd paste-10: 1(-19.68,0)
  round 10 smd paste-10.08: 2(23.62,0)
  Top Layer region: -5.91,19.68 13.78,0 -5.91,-19.69 47.24,-19.69 47.24,19.68
  Top Layer region: -47.24,-19.69 -47.24,19.68 -15.75,19.68 3.94,0 -15.75,-19.69
  silkscreen extent -50,-23 50,23
SOP8 [mm] "SOP, 8-Leads, Body 5.0x4.0mm (max), Pitch 1.27mm, IPC Medium Density"
  rect 2.2x0.6 smd: 1(-2.425,1.905)
  oval 2.2x0.6 smd: 2(-2.425,0.635) 3(-2.425,-0.635) 4(-2.425,-1.905) 5(2.425,-1.905) 6(2.425,-0.635) 7(2.425,0.635) 8(2.425,1.905)
  silkscreen extent -2.64,-2.54 2.03,3.02, body extent -2.97,-2.45 3.17,2.44, height 1.73
SOP8L [mm] "SOP, 8-Leads, Body 5.0x4.0mm (max), Pitch 1.27mm, IPC Medium Density"
  rect 2.2x0.6 smd: 1(-3.32,1.905)
  oval 2.2x0.6 smd: 2(-3.32,0.635) 3(-3.32,-0.635) 4(-3.32,-1.905) 5(3.32,-1.905) 6(3.32,-0.635) 7(3.32,0.635) 8(3.32,1.905)
  silkscreen extent -2.64,-2.54 2.03,3.02, body extent -2.97,-2.45 3.17,2.44, height 1.73
SOT23-3 [mm]
  rect 0.9x0.95 smd: 1(-0.95,-2.35) 2(0.95,-2.35) 3(0,0)
  silkscreen extent -1.9,-3.35 1.3,0, body extent -1.27,-1.8 1.32,-0.51, height 1.05
SOT23-5 [mil]
  rect 50x20 smd: 1(-50,37.5) 2(-50,0.5) 3(-50,-37.5) 4(50,-37.5) 5(50,37.5)
  silkscreen extent -104,-7 55,77, body extent -32,-57 32,57, height 47
SOT223_SC73 [mil]
  rect 39x59 smd: 1(-90,-124) 2(0,-124) 3(90,-124)
  rect 129x59 smd: 2(0,124)
  silkscreen extent -140,-71 138,70, body extent -128,-136 128,138, height 65
"Spacer+Nut M3" [mm] "Spacer+Nut M3 Mechanical Only"
  body extent -3.17,-2.75 3.18,2.75, height 5.5
SPBTLE-RF [mm]
  rect 1.6x1 smd: 1(0,0) 2(0,-1.27) 3(0,-2.54) 4(0,-3.81) 5(0,-5.08) 7(13.5,-5.08) 8(13.5,-3.81) 9(13.5,-2.54) 10(13.5,-1.27) 11(13.5,0)
  rect 1x1.6 smd: 6(4,-6.08)
  silkscreen extent -0.69,-5.88 13.5,5.72, body extent -0.03,-5.89 13.51,5.72, height 2.1
SPSGRF [mm]
  rect 1.6x1 smd: 1(0,0) 2(0,-1.27) 3(0,-2.54) 4(0,-3.81) 5(0,-5.08) 7(13.5,-5.08) 8(13.5,-3.81) 9(13.5,-2.54) 10(13.5,-1.27) 11(13.5,0)
  rect 1x1.6 smd: 6(4,-6.08)
  silkscreen extent -0.64,-5.88 13.5,5.72, body extent 0.03,-5.89 13.51,5.72, height 2.1
"SWI_WEALTHMETAL_TD-0341_4P - BACK" [mm] "SMD Push Button with Back Plastic"
  rect 1.52x2.16 smd mask+0.05: 1(-2.25,-4.75) 1(-2.25,4.75) 2(2.25,-4.75) 2(2.25,4.75)
  silkscreen extent -3,-3.5 3,3.5, body extent -3,-5 3,5, height 6
"SWI_WEALTHMETAL_TD-0341_4P - BLUE" [mm] "SMD Push Button with Back Plastic"
  rect 1.52x2.16 smd mask+0.05: 1(-2.25,-4.75) 1(-2.25,4.75) 2(2.25,-4.75) 2(2.25,4.75)
  silkscreen extent -3,-3.5 3,3.5, body extent -3,-5 3,5, height 6
SYMBOL_ESD [mm]
  silkscreen extent -3.46,-2.52 3.25,3.62
SYMBOL_RoHS [mm]
  silkscreen extent 0,0 9.5,6
VFLGA12-2x2x1 [mm] "LGA12 2x2x1mm"
  rect 0.3x0.3 smd mask+0.05: 1(-0.75,0.75) 2(-0.75,0.25) 3(-0.75,-0.25) 4(-0.75,-0.75) 5(-0.25,-0.75) 6(0.25,-0.75) 7(0.75,-0.75) 8(0.75,-0.25) 9(0.75,0.25) 10(0.75,0.75) 11(0.25,0.75) 12(-0.25,0.75)
  silkscreen extent -1.47,-1.02 1.02,1.45, body extent -1.02,-1.02 1.02,1.02, height 1.1

## Part data
B1 B2: library part SW-PB_2, "Push-button SMD"
C1 C2 C3 C4 C5 C6 C7 C8 C9 C10 C11 C12 C13 C14 C15 C16 C17 C18 C19 C20 C21 C22 C23 C24 C25 C26 C27 C28 C29 C30 C31 C32 C33 C34 C35 C36 C37 C38 C39 C40 C41 C42 C43 C44 C45 C46 C47 C48 C49 C50 C51 C52 C53 C54 C55 C56 C57 C58 C59 C60 C61 C62 C63 C64 C65 C66 C67 C68 C69 C70 C71 C72 C73 C74 C75 C76: library part CAP_NPOL, "Capacitor_not polarized"
CN1: "Header, 10-Pin, SMD, Single row,female"
CN2 CN3: "Header, 8-Pin, SMD, Single row,female"
CN4: "Header, 6-Pin, SMD, Single row,female"
CN5: library part Tag-10-C, "Tag_Connector Header, 10-Pin, Dual row No legs"
CN6: library part "Header 2 pins", "Header 2 pins"
CN7: "USB-MICRO-B, 1050170001, SMT, MOLEX"
CN8: library part "Header 4", "Header, 4-Pin"
CN9: "USB-MICRO-AB, 47590-0001, SMT, MOLEX"
CN10: "PMOD Connector Warning Specific Pinout"
JP5 JP6 JP7 JP8: library part TSW-102-07-x-S, "Connector jumper 1 position"
L1 L2: library part Inductor, "Inductor"
LD1 LD2 LD3 LD4 LD5 LD7 LD8 LD9: "Light-Emitting Diode"
LD6: "Bicolor Led"
M1: library part SPBTLE-RF, "SPBTLE-RF"
M2: "ISM43362-M3G-L44 Wifi Module 802.11 bgn"
M3: "SPSGRF-915or SPSGRF-868"
Q1 Q2: "BSR14 NPN switching transistor SOT23 (Marking U8)"
R1 R2 R3 R4 R5 R6 R7 R8 R9 R10 R11 R12 R13 R14 R15 R16 R18 R19 R20 R21 R22 R23 R24 R25 R26 R27 R28 R29 R30 R31 R32 R33 R34 R35 R36 R38 R39 R40 R41 R42 R43 R44 R45 R46 R47 R48 R49 R50 R51 R52 R53 R54 R55 R56 R57 R58 R59 R61 R62 R64 R65 R66 R67: library part RES, "Resistor"
SB1 SB2 SB3 SB4 SB5 SB6 SB7 SB8 SB9 SB10 SB11 SB12 SB13 SB14 SB15 SB16 SB17 SB18 SB19 SB20 SB21: library part Strap2, "Solder Jumper"
TP1 TP2 TP3 TP4 TP5 TP6: "Point de test"
U2 U10: library part MP34DT01, "MEMS audio microphone"
U3: "Accelero + Gyro MEMS (6 Axis)"
U4: "Proximity sensor MEMS"
U5 U7: "IC,Sensor"
U6: "Humidity + Temp MEMS"
U8: "M24SR64-Y  64K_EEPROM NFC/RFID"
U11: "MX25R6435F Serial Flash Memory 64M"
U12: "LT1963EST-3.3 LDO Low Noise 1.5A fast Transient Response"
U13: "IC REG LDO 5V 0.8A SOT223"
U14: "LOW DROP FIXED AND ADJUSTABLE POSITIVE VOLTAGE REGULATORS (3.3 Volts)"
U15: "Medium-density performance line ARM-based 32-bit MCU with 128KB Flash"
U16: "Ultra low drop-low noise BiCMOS voltage, regulators low ESR capacitors compatible"
U17: "1.2 A current limited high-side power switch with thermal shutdown"
U18 U20: "2-line IPAD, EMI filter including ESD protection"
U19: "Enhanced single channel power switches"
U21: "TSV631AILT  Rail-to-rail input/output, 60 µA, 880 kHz, 5 V CMOS  operational amplifiers"
X1 X3: library part XTAL_8M_NX3225GD, "Crystal 8Mhz, 8pF, -+50PPM, SMD"
X2: library part XTAL_32K_NX3215SA, "Crystal 32.768kHz, 6pF, -+20PPM, R=50K, SMD"